# Altium PCB spd150.PcbDoc (part 11 of 15) (continued)
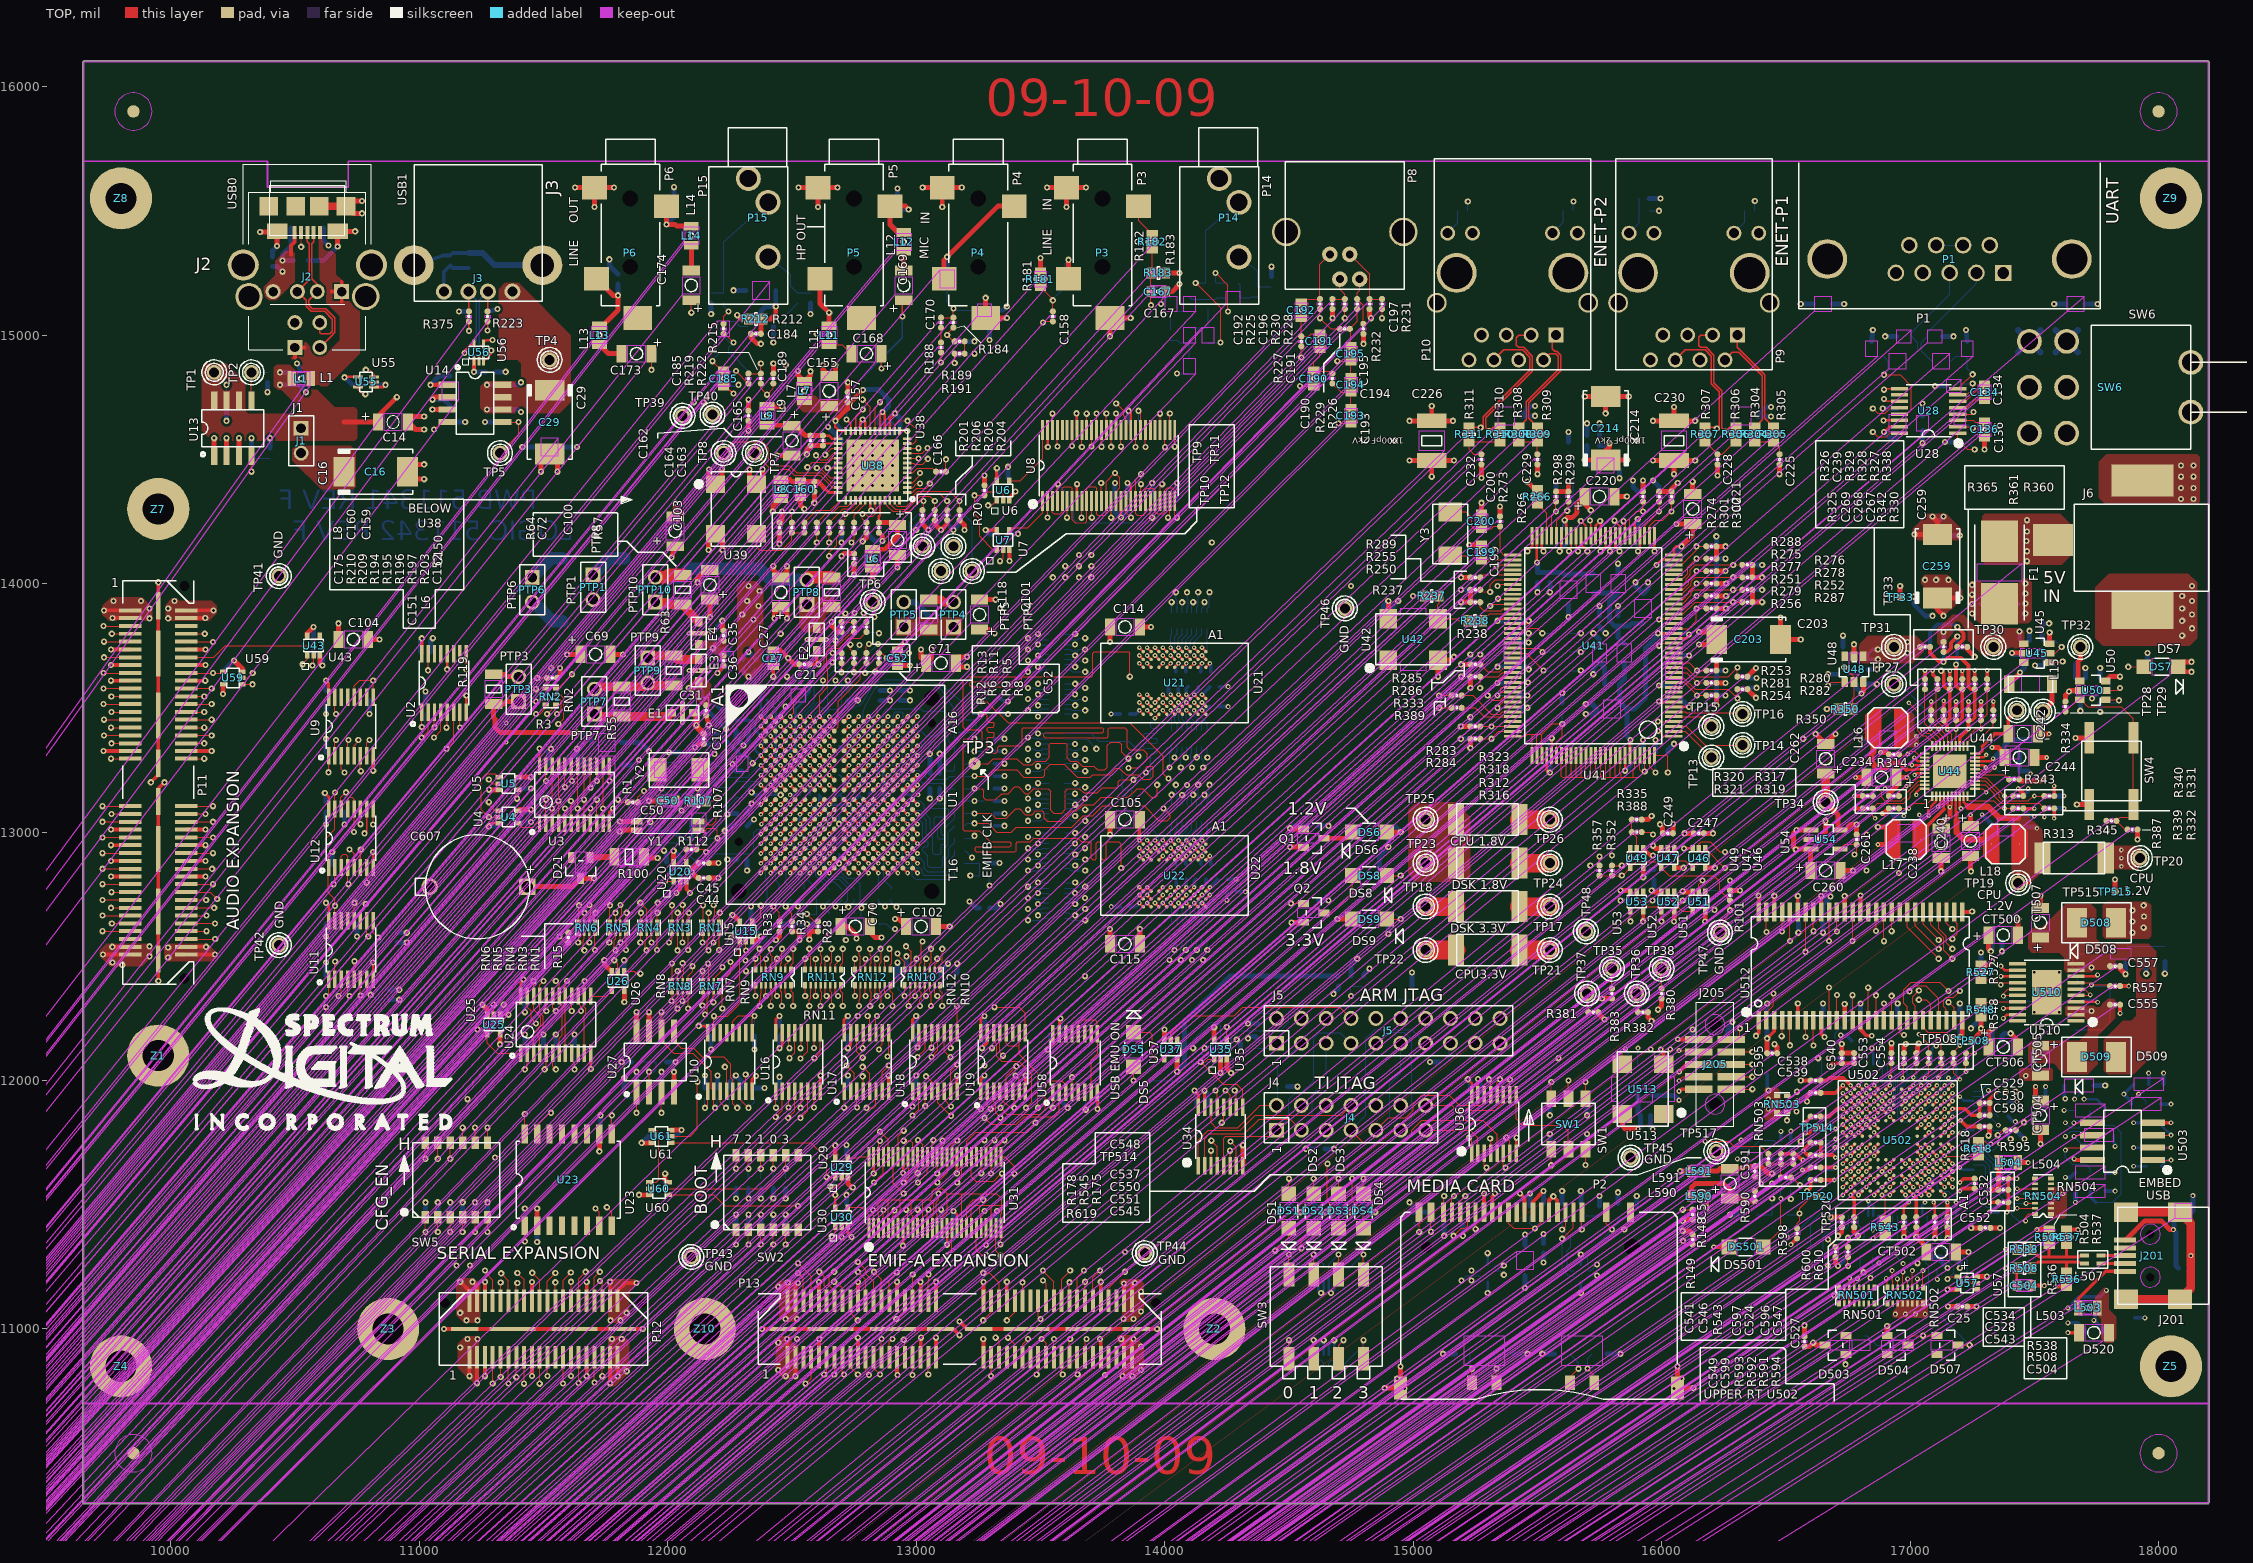
[diagram p0: TOP view]
## Nets (pads, with @x,y where several pads share a name; then routed paths per layer and width w, separated by ;. In a path a pad name is that pad's centre, name@x,y a point inside that pad or via, vN(x,y) a via of type N, cw(c..) or ccw(c..) an arc to the next point about the centre after c; other vN are vias at no path point) (continued)
N20660016: RN9.7 U1.P8 | length 651.9
  TOP w5: v1(12370,12530) 12370,12503.3 12375.6,12497.7 12375.6,12447.4 RN9.7@12376,12447
  TOP w10: v2(12650.7,12913.6) U1.P8@12670.4,12933.3
  LYR3-SIG w4: v2(12650.7,12913.6) 12666.2,12898.1 12666.2,12826.2 12655,12815
  LYR3-SIG w5: v1(12370,12530) 12370,12545 12505,12680 12505,12709.2 12515.8,12720 12560,12720 12655,12815
N20660020: RN9.8 U1.R8 | length 630.2
  TOP w5: RN9.8@12353.4,12447 v1(12353.4,12490)
  TOP w10: v2(12650.7,12874.2) U1.R8@12670.4,12893.9
  LYR3-SIG w4: 12620,12815 12630,12825 12630,12853.5 v2(12650.7,12874.2)
  LYR3-SIG w5: v1(12353.4,12490) 12345,12498.4 12345,12535.5 12340,12540.5 12340,12575 12370,12605 12415.8,12605 12495,12684.2 12495,12714 12511,12730 12535,12730 12620,12815
N20661248: RN9.2 U1.T10 | length 543.7
  TOP w5: RN9.2@12474,12447 12474,12465 12485,12476 v1(12485,12490)
  TOP w10: U1.T10@12749.2,12854.5 v2(12768.9,12834.8)
  LYR8-SIG w4: 12755,12815 12768.9,12828.9 v2(12768.9,12834.8)
  LYR8-SIG w5: v1(12485,12490) 12495,12490 12550,12545 12550,12576 12650,12676 12650,12710 12755,12815
N20661250: RN9.4 U1.P9 | length 664.2
  TOP w5: RN9.4@12434.8,12447 12434.8,12452.4 12435,12452.6 12435,12485 v1(12440,12490)
  TOP w10: U1.P9@12709.8,12933.3 v2(12729.5,12913.6)
  LYR3-SIG w4: 12700,12815 12700,12828 12727,12855 12735,12855 12745,12865 12745,12898.1 v2(12729.5,12913.6)
  LYR3-SIG w5: v1(12440,12490) 12450,12490 12480,12520 12480,12562.4 12507.6,12590 12549,12590 12600,12641 12600,12705 12700,12805 12700,12815
N20661252: RN9.3 U1.N9 | length 774
  TOP w5: RN9.3@12454.4,12447 12454.4,12470 12460,12475.6 v1(12460,12530)
  TOP w10: U1.N9@12709.8,12972.7 v2(12729.5,12953)
  LYR3-SIG w4: 12675,12815 12675,12830 12710,12865 12710,12933.5 v2(12729.5,12953)
  LYR3-SIG w5: v1(12460,12530) 12440,12510 12423.7,12510 12423.5,12509.8 12405.2,12509.8 12395,12520 12395,12555 12440,12600 12460,12600 12675,12815
N20661254: RN9.1 U1.R10 | length 599.5
  TOP w5: RN9.1@12496.6,12447 12496.6,12466.4 12505,12474.8 v1(12505,12530)
  TOP w10: U1.R10@12749.2,12893.9 v2(12768.9,12874.2)
  LYR8-SIG w4: 12735,12815 12750,12830 12750,12855 12768.9,12873.9 v2(12768.9,12874.2)
  LYR8-SIG w5: v1(12505,12530) 12505,12570 12535,12600 12559,12600 12600,12641 12600,12710 12620,12730 12650,12730 12735,12815
N20661256: RN9.6 U1.T9 | length 648.5
  TOP w5: RN9.6@12395.6,12447 v1(12395.6,12489.4)
  TOP w10: U1.T9@12709.8,12854.5 v2(12729.5,12834.8)
  LYR3-SIG w4: 12725,12815 12729.5,12819.5 v2(12729.5,12834.8)
  LYR3-SIG w5: v1(12395.6,12489.4) 12395.6,12484.4 12410,12470 12505.1,12470 12550,12514.9 12550,12576 12645,12671 12645,12735 12725,12815
N20661258: RN9.5 U1.R9 | length 609.5
  TOP w5: RN9.5@12415.2,12447 12415.2,12470 12420,12474.8 12420,12500 12415.2,12504.8 v1(12415.2,12529.8)
  TOP w10: U1.R9@12709.8,12893.9 v2(12729.5,12874.2)
  LYR3-SIG w4: 12685,12815 12685,12825 12729.5,12869.5 v2(12729.5,12874.2)
  LYR3-SIG w5: v1(12415.2,12529.8) 12430.4,12545 12443.3,12545 12548.3,12650 12570,12650 12582.9,12662.9 12582.9,12707.1 12685,12809.2 12685,12815
N20664581: R69.1 U1.T8 | length 154
  TOP w10: v2(12650.7,12834.8) U1.T8@12670.4,12854.5
  BOTTOM w4: v2(12650.7,12834.8) 12665.5,12820 12700,12820 12705,12815
  BOTTOM w5: 12705,12815 R69.1@12750,12770
N20664593: R72.1 U1.P7 | length 570.4
  TOP w10: v2(12611.3,12913.6) U1.P7@12631,12933.3
  BOTTOM w4: 12395,12815 12395,12960 12405,12970 12500,12970 12510,12960 12510,12950 12530,12930 12580,12930 12596.4,12913.6 v2(12611.3,12913.6)
  BOTTOM w5: 12395,12815 12395,12810 12401,12804 12401,12671 R72.1@12400,12670
N20774436: C46.1 R103.2 U1.H1 Y1.4 | length 509
  TOP w5: Y1.4@12124,13007.5 12152.5,13007.5 12160,13015 12190,13015 12200,13005 v1(12200,12975)
  TOP w10: v2(12374.9,13189.4) U1.H1@12394.6,13169.7
  BOTTOM w4: 12354.4,13189.4 v2(12374.9,13189.4)
  BOTTOM w5: C46.1@12155,12975 v1(12200,12975) 12200,13020 12215,13035 12215,13075 12280,13140 R103.2@12300,13140 12305,13140 12315,13150 12315,13166 12338.4,13189.4 12354.4,13189.4
N20774450: C47.1 R103.1 U1.H2 Y1.1 | length 468.1
  TOP w5: Y1.1@12124,13042.5 12152.5,13042.5 12165,13030 12180,13030 12195,13045 v1(12195,13070)
  TOP w10: v2(12414.3,13189.4) U1.H2@12434,13169.7
  BOTTOM w4: 12350,13205 12398.7,13205 v2(12414.3,13189.4)
  BOTTOM w5: C47.1@12155,13050 12175,13050 v1(12195,13070) 12195,13075 R103.1@12300,13180 12314,13180 12339,13205 12350,13205
N20774506: R104.1 U1.G2 | length 510.9
  TOP w10: v2(12414.3,13228.8) U1.G2@12434,13209.1
  LYR4-SIG w4: 12350,13205 12390.5,13205 v2(12414.3,13228.8)
  LYR4-SIG w5: v1(12056,13087) 12072,13087 12190,13205 12350,13205
  BOTTOM w5: R104.1@12025,13045 12025,13075 12037,13087 v1(12056,13087)
N21190289: RN19.7 U21.D2 | length 141.1
  TOP w10: v2(14055.8,13710.3) U21.D2@14071.6,13694.5
  BOTTOM w4: 14040,13775 14040,13726.1 v2(14055.8,13710.3)
  BOTTOM w5: 14040,13775 14040,13785 14051,13796 RN19.7@14051,13818
N21190349: RN19.1 U21.A2 | length 138.9
  TOP w10: v2(14150.3,13710.3) U21.A2@14166.1,13694.5
  BOTTOM w5: v2(14150.3,13710.3) 14171.6,13731.6 14171.6,13775 RN19.1@14171.6,13818
N21190351: RN19.2 U21.B1 | length 111.1
  TOP w10: v2(14118.8,13741.8) U21.B1@14134.6,13726
  BOTTOM w5: v2(14118.8,13741.8) 14118.8,13764.8 14129,13775 14149,13795 RN19.2@14149,13818
N21190353: RN19.3 U21.B2 | length 147.3
  TOP w10: v2(14118.8,13710.3) U21.B2@14134.6,13694.5
  BOTTOM w4: 14109.4,13775 14103.3,13768.9 14103.3,13725.8 v2(14118.8,13710.3)
  BOTTOM w5: 14109.4,13775 14129.4,13795 RN19.3@14129.4,13818
N21190355: RN19.4 U21.C1 | length 107.9
  TOP w10: v2(14087.3,13741.8) U21.C1@14103.1,13726
  BOTTOM w5: v2(14087.3,13741.8) 14087.3,13772.5 14089.8,13775 14109.8,13795 RN19.4@14109.8,13818
N21190357: RN19.5 U21.C2 | length 144.1
  TOP w10: v2(14087.3,13710.3) U21.C2@14103.1,13694.5
  BOTTOM w4: 14071.8,13775 14071.8,13725.8 v2(14087.3,13710.3)
  BOTTOM w5: 14071.8,13775 14071.8,13776.6 14090.2,13795 RN19.5@14090.2,13818
N21190359: RN19.6 U21.D1 | length 105.3
  TOP w10: v2(14055.8,13741.8) U21.D1@14071.6,13726
  BOTTOM w5: v2(14055.8,13741.8) 14055,13742.6 14055,13779.4 14070.6,13795 RN19.6@14070.6,13818
N21190361: RN19.8 U21.E1 | length 100.2
  TOP w10: v2(14024.3,13741.8) U21.E1@14040.1,13726
  BOTTOM w5: v2(14024.3,13741.8) 14024.3,13775 14024.3,13790.9 14028.4,13795 RN19.8@14028.4,13818
N21190363: RN21.1 U21.E9 | length 106.8
  TOP w10: v2(14024.3,13489.8) U21.E9@14040.1,13474
  BOTTOM w5: v2(14024.3,13489.8) 14028.4,13485.7 14028.4,13450 RN21.1@14028.4,13407
N21190365: RN21.2 U21.D8 | length 147.7
  TOP w10: v2(14055.8,13521.3) U21.D8@14071.6,13505.5
  BOTTOM w4: 14040,13450 14040,13505.5 v2(14055.8,13521.3)
  BOTTOM w5: 14040,13450 14040,13446 14051,13435 RN21.2@14051,13407
N21190403: RN21.3 U21.D9 | length 111.3
  TOP w10: v2(14055.8,13489.8) U21.D9@14071.6,13474
  BOTTOM w5: v2(14055.8,13489.8) 14055.8,13450 14055.8,13449.8 14070.6,13435 RN21.3@14070.6,13407
N21190461: RN21.4 U21.C8 | length 151.1
  TOP w10: v2(14087.3,13521.3) U21.C8@14103.1,13505.5
  BOTTOM w4: 14075.2,13450 14071.3,13453.9 14071.3,13505.3 v2(14087.3,13521.3)
  BOTTOM w5: 14075.2,13450 14090.2,13435 RN21.4@14090.2,13407
N21190463: RN21.5 U21.C9 | length 114.5
  TOP w10: v2(14087.3,13489.8) U21.C9@14103.1,13474
  BOTTOM w5: v2(14087.3,13489.8) 14087.3,13457.5 14094.8,13450 14109.8,13435 RN21.5@14109.8,13407
N21190465: RN21.6 U21.B8 | length 153.9
  TOP w10: v2(14118.8,13521.3) U21.B8@14134.6,13505.5
  BOTTOM w4: 14114.4,13450 14103.3,13461.1 14103.3,13505.8 v2(14118.8,13521.3)
  BOTTOM w5: 14114.4,13450 14129.4,13435 RN21.6@14129.4,13407
N21190467: RN21.7 U21.B9 | length 117.7
  TOP w10: v2(14118.8,13489.8) U21.B9@14134.6,13474
  BOTTOM w5: v2(14118.8,13489.8) 14118.8,13465.2 14134,13450 14149,13435 RN21.7@14149,13407
N21190469: RN21.8 U21.A8 | length 158.3
  TOP w10: v2(14150.3,13521.3) U21.A8@14166.1,13505.5
  BOTTOM w4: v2(14150.3,13521.3) 14134.8,13505.8 14134.8,13475.2 14160,13450
  BOTTOM w5: 14160,13450 14171.6,13438.4 RN21.8@14171.6,13407
N21229585: RN20.7 U22.D2 | length 140.9
  TOP w10: v2(14055.8,12935.3) U22.D2@14071.6,12919.5
  BOTTOM w4: 14040.3,12990.3 14040.3,12950.8 v2(14055.8,12935.3)
  BOTTOM w5: 14040.3,12990.3 14040.3,13000 14051,13010.7 RN20.7@14051,13043
N21229645: RN20.1 U22.A2 | length 138.9
  TOP w10: v2(14150.3,12935.3) U22.A2@14166.1,12919.5
  BOTTOM w4: v2(14150.3,12935.3) 14171.6,12956.6 14171.6,13000
  BOTTOM w5: 14171.6,13000 RN20.1@14171.6,13043
N21229647: RN20.2 U22.B1 | length 111.1
  TOP w10: v2(14118.8,12966.8) U22.B1@14134.6,12951
  BOTTOM w4: v2(14118.8,12966.8) 14149,12997 14149,13000
  BOTTOM w5: 14149,13000 RN20.2@14149,13043
N21229649: RN20.3 U22.B2 | length 147.7
  TOP w10: v2(14118.8,12935.3) U22.B2@14134.6,12919.5
  BOTTOM w4: 14115,13000 14102.8,12987.8 14102.8,12951.3 v2(14118.8,12935.3)
  BOTTOM w5: 14115,13000 14129.4,13014.4 RN20.3@14129.4,13043
N21229651: RN20.4 U22.C1 | length 107.9
  TOP w10: v2(14087.3,12966.8) U22.C1@14103.1,12951
  BOTTOM w4: v2(14087.3,12966.8) 14087.3,12987.3 14100,13000
  BOTTOM w5: 14100,13000 14109.8,13009.8 RN20.4@14109.8,13043
N21229653: RN20.5 U22.C2 | length 144.1
  TOP w10: v2(14087.3,12935.3) U22.C2@14103.1,12919.5
  BOTTOM w4: 14080,13000 14071.8,12991.8 14071.8,12950.8 v2(14087.3,12935.3)
  BOTTOM w5: 14080,13000 14090.2,13010.2 RN20.5@14090.2,13043
N21229655: RN20.6 U22.D1 | length 104.7
  TOP w10: v2(14055.8,12966.8) U22.D1@14071.6,12951
  BOTTOM w4: v2(14055.8,12966.8) 14055.8,12995.8
  BOTTOM w5: 14055.8,12995.8 14070.6,13010.6 RN20.6@14070.6,13043
N21229657: RN20.8 U22.E1 | length 100.2
  TOP w10: v2(14024.3,12966.8) U22.E1@14040.1,12951
  BOTTOM w4: v2(14024.3,12966.8) 14025,12967.5 14025,13000
  BOTTOM w5: 14025,13000 14025,13011.6 14028.4,13015 RN20.8@14028.4,13043
N21432686: C31.1 C32.1 C33.1 C34.1 E3.1 U1.C1 | length 424.4
  TOP w10: v2(12374.9,13386.4) U1.C1@12394.6,13366.7
  BOTTOM w10: C32.1@12325,13450 12340,13450 12350,13437.2 12350,13411.3 v2(12374.9,13386.4)
  BOTTOM w15: v1(12085,13580) 12130,13580 12140,13570 C34.1@12140,13540 12155,13540 C33.1@12275,13450 C32.1@12325,13450
N21432690: C35.1 C36.1 C37.1 C38.1 E4.1 U1.C2 | length 825.2
  TOP w10: v2(12414.3,13386.4) U1.C2@12434,13366.7
  LYR8-SIG w10: v2(12414.3,13386.4) 12413.6,13386.4 12395,13405 ; 12395,13405 12365,13405 12345,13425 12345,13475.7 12395,13525.7 12395,13405
  LYR8-SIG w35: v1(12183,13740) 12240.9,13682.1 12342.8,13682.1 12378.3,13646.6 12378.3,13597.9 12395,13581.2 12395,13525.7
  BOTTOM w25: v1(12183,13740) 12195,13752 C37.1@12195,13780
  BOTTOM w35: v1(12183,13740) 12198,13725 C38.1@12240,13725
N21731281: J5.2 R176.1 | length 83.3
  BOTTOM w5: R176.1@14375,12270 14430,12270 J5.2@14450,12250
N21732775: J5.1 R177.1 | length 83.3
  BOTTOM w5: R177.1@14375,12130 14430,12130 J5.1@14450,12150
N21789895: R21.2 U8.4 U8.23 | length 675.3
  TOP w5: U8.4@13568.4,14332 13568.4,14398.4 v1(13570,14400) ; U8.23@13942.3,14332 13942.3,14272.7 v1(13950,14265)
  BOTTOM w5: v1(13570,14400) 13635,14335 13635,14260 13650,14245 13930,14245 v1(13950,14265) R21.2@13950,14305
N22368085: C159.1 C160.1 L8.1 U38.36 | length 252.2
  TOP w12: 12630,14385 12648.2,14366.8 U38.36@12686,14366.8
  TOP w20: L8.1@12455,14418 12492,14418 12500,14410 C160.1@12535,14410 C159.1@12590,14410 12605,14410 12630,14385
N22369565: C162.1 C163.1 C164.1 L9.1 U38.25 | length 308.3
  TOP w11: C163.1@12625,14595 12650,14595 12661.8,14583.2 U38.25@12686,14583.2
  TOP w20: L9.1@12400,14637 12498,14637 C162.1@12500,14635 12515,14635 12555,14595 C164.1@12575,14595 C163.1@12625,14595
N34863621: L13.2 P6.2 R192.1 | length 320.2
  TOP w20: P6.2@11713,15226.5 11713.5,15226.5 11780,15160 v1(11800,15160) 11800,15100 11738,15038 L13.2@11725,15038
  BOTTOM w20: v1(11800,15160) R192.1@11800,15205
N34863623: C173.2 L13.1 | length 105.3
  TOP w20: L13.1@11725,14962 11762,14925 C173.2@11815,14925
N34863643: C174.2 L14.1 | length 102
  TOP w20: C174.2@12095,15260 L14.1@12095,15362
N34877889: C168.2 L11.1 | length 105.3
  TOP w5: L11.1@12650,14962 12703,14962 C168.2@12740,14925
N34877903: C169.2 L12.1 | length 77
  TOP w20: C169.2@12950,15260 L12.1@12950,15337
N34879314: L12.2 P5.3 R186.1 | length 267.3
  TOP w20: L12.2@12950,15413 12927,15413 12895,15445 P5.3@12895,15518.5 12956.5,15518.5 v1(12970,15505)
  BOTTOM w20: R186.1@12925,15505 v1(12970,15505)
N34879340: L11.2 P5.2 R185.1 | length 248.8
  TOP w20: P5.2@12613,15226.5 12613,15127 v1(12650,15090) L11.2@12650,15038
  BOTTOM w20: R185.1@12650,15045 v1(12650,15090)
N34884668: C150.1 C152.1 L6.2 U38.44 | length 338.5
  TOP w10: C152.1@12850,14245 12850,14270.5 12854.5,14275 U38.44@12854.5,14336
  TOP w20: L6.2@12825,14138 12873,14138 12925,14190 C150.1@12925,14235 12915,14245 C152.1@12850,14245
N34901850: C158.1 C161.1 R180.2 R181.1 | length 267.1
  TOP w5: R181.1@13500,15195 13550,15145 v1(13550,15140) C158.1@13550,15095
  BOTTOM w5: C161.1@13500,15195 v1@13550,15145 ; v1(13550,15140) v1@13550,15145 ; R180.2@13600,15195 v1@13550,15145
N34901866: C158.2 U38.3 | length 1028.7
  TOP w5: U38.3@12964,14406.1 12986.1,14406.1 13015,14435 v1(13015,14445) ; v1(13510,15050) 13515,15055 C158.2@13550,15055
  LYR3-SIG w5: v1(13015,14445) 12985,14445 12950,14480 12950,14545 13455,15050 v1(13510,15050)
N34902718: C166.1 C167.1 R182.2 R183.1 | length 1358.9
  TOP w5: C166.1@13120,14450 v1(13120,14500) ; v1(13945,15120) C167.1@13945,15175 R183.1@13945,15250 13950,15255 R182.2@13950,15345
  LYR3-SIG w5: v1(13120,14500) 13125,14500 13745,15120 v1(13945,15120)
N34902945: C166.2 U38.5 | length 130.3
  TOP w5: U38.5@12964,14445.5 12985.5,14445.5 13005,14465 13065,14465 C166.2@13080,14450
N34912845: C172.1 R184.2 R189.1 | length 121.1
  TOP w5: R184.2@13150,15030 13125,15005 v1(13125,15000) 13150,14975 R189.1@13155,14975
  BOTTOM w5: v1(13125,15000) 13150,14975 C172.1@13155,14975
N34912877: R189.2 R191.1 | length 50
  TOP w5: R191.1@13195,14925 R189.2@13195,14975
N34913123: C170.2 R188.1 | length 60
  TOP w5: R188.1@13100,14970 C170.2@13100,15030
N167545211: DS1.2 R144.2 | length 121
  TOP w5: DS1.2@14500,11544 v1(14500,11605)
  BOTTOM w5: R144.2@14500,11545 v1(14500,11605)
N167545370: DS3.2 R146.2 | length 121
  TOP w5: DS3.2@14700,11544 v1(14700,11605)
  BOTTOM w5: R146.2@14700,11545 v1(14700,11605)
N167545530: DS4.2 R147.2 | length 121
  TOP w5: DS4.2@14800,11544 v1(14800,11605)
  BOTTOM w5: R147.2@14800,11545 v1(14800,11605)
N167546730: DS2.2 R145.2 | length 121
  TOP w5: DS2.2@14600,11544 v1(14600,11605)
  BOTTOM w5: R145.2@14600,11545 v1(14600,11605)
ODEMU0N: TP518.1 U511.75 | length 253.5
  BOTTOM w4: 16645,11470 16690,11470 16705,11455 U511.75@16713.6,11455
  BOTTOM w5: TP518.1@16600,11310 16600,11425 16645,11470
ODEMU1N: TP519.1 U511.74 | length 199
  BOTTOM w5: TP519.1@16650,11310 16650,11375 16685,11410 16718.3,11410 16733.3,11425 U511.74@16733.3,11455
ON_BD_OFF_BD: R384.1 SW5.9 U19.14 U59.1 | length 5360.7
  TOP w5: U59.1@10289,13594.4 v1(10329.4,13594.4) ; SW5.9@11175,11750 v1(11175,11810) ; U19.14@13311.6,12192.6 13311.6,12160 13325,12146.6 13325,12097.2 13330,12092.2 13330,12091.7 13341.7,12080 13342.2,12080 13345,12077.2 13412.8,12077.2 13465,12025 13465,11913.4 v1(13441.6,11890)
  LYR4-SIG w5: v1(10329.4,13594.4) 10408.8,13515 10825,13515 10860,13480 10860,13160 11105,12915 11105,12180 11145,12140 11145,11840 v1(11175,11810)
  LYR7-SIG w5: v1(11175,11810) 11210,11775 11940,11775 11975,11740 12590,11740 12675,11825 13376.6,11825 v1(13441.6,11890)
  BOTTOM w5: v1(13441.6,11890) 13501.6,11950 R384.1@13525,11950
ON_BD_USB_DRV: R62.2 U14.4 U19.4 U19.6 | length 5404.3
  TOP w5: v1(11060,14620) 11090,14650 U14.4@11115,14650 ; U19.4@13337.2,11957.4 13337.2,11927.8 13357.8,11907.2 13362.8,11907.2 13380,11890 v1(13395,11890) 13395,11920 13388.4,11926.6 U19.6@13388.4,11957.4
  LYR4-SIG w5: v1(11060,14620) 10890,14450 10890,13200 11135,12955 11135,12240 11195,12180 v1(11195,11925)
  LYR7-SIG w5: v1(11195,11925) 13360,11925 v1(13395,11890)
  BOTTOM w5: v1(11060,14620) 11090,14650 R62.2@11105,14650
ON_BD_USB_OVC: R61.2 TP5.1 U14.5 U19.10 U19.12 | length 6199.6
  TOP w5: TP5.1@11325,14525 11400,14600 v1(11400,14650) U14.5@11335,14650 ; U19.12@13362.8,12192.6 13362.8,12147.2 13370,12140 13414,12140 ; U19.10@13414,12192.6 13414,12140 ; v1(13490,11890) 13490,12030 13414,12106 13414,12140
  LYR4-SIG w5: v1(11305,11690) 11305,12090 11270,12125 11270,12235 11165,12340 11165,13040 10915,13290 10915,14115 TP5.1@11325,14525
  LYR7-SIG w5: v1(11305,11690) 13385,11690 13435,11740 13435,11835 v1(13490,11890)
  BOTTOM w5: R61.2@11345,14650 v1(11400,14650)
P1ANEN: R261.2 R278.1 U41.30 | length 350
  TOP w5: U41.30@16049,13956.9 16081.9,13956.9 16120,13995 16120,14010 16135,14025 v1(16288,14025) R278.1@16325,14025
  BOTTOM w5: v1(16288,14025) R261.2@16325,14025
P1DPX: R259.2 R276.1 U41.32 | length 363.2
  TOP w5: U41.32@16049,13996.3 16086.3,13996.3 16100,14010 16100,14020 16115,14035 16115,14055 16135,14075 v1(16288,14075) R276.1@16325,14075
  BOTTOM w5: v1(16288,14075) R259.2@16325,14075
P1FFC: R258.2 R275.1 U41.33 | length 220.4
  TOP w5: U41.33@16049,14016 16081,14016 16105,14040 16105,14065 v1(16140,14100) R275.1@16180,14100
  BOTTOM w5: v1(16140,14100) R258.2@16180,14100
P1LED2: P9.10 R235.1 | length 108.2
  BOTTOM w5: P9.10@16291,15410 16335,15454 R235.1@16335,15500
P1LED3: P9.12 R233.2 R234.1 | length 157
  BOTTOM w5: P9.12@15869,15410 15910,15451 R234.1@15910,15500 R233.2@15910,15550
P1SPD: R260.2 R277.1 U41.31 | length 213.1
  TOP w5: U41.31@16049,13976.6 16086.6,13976.6 16110,14000 16110,14015 16140,14045 v1(16140,14050) R277.1@16180,14050
  BOTTOM w5: v1(16140,14050) R260.2@16180,14050
P2ANEN: R265.2 R282.1 U41.13 | length 364.8
  TOP w5: U41.13@16049,13621.9 16088.1,13621.9 16135,13575 16268,13575 v1(16305,13538) R282.1@16305,13575
  BOTTOM w5: v1(16305,13538) R265.2@16305,13575
P2DPX: R263.2 R280.1 U41.15 | length 360.4
  TOP w5: U41.15@16049,13661.3 16098.7,13661.3 16135,13625 16268,13625 v1(16305,13662) R280.1@16305,13625
  BOTTOM w5: R263.2@16305,13625 v1(16305,13662)
P2FFC: R246.2 R253.1 U41.16 | length 180.8
  TOP w5: U41.16@16049,13681 16112,13681 v1(16143,13650) R253.1@16180,13650
  BOTTOM w5: v1(16143,13650) R246.2@16180,13650
P2LED2: P10.10 R240.1 | length 108.2
  BOTTOM w5: P10.10@15561,15410 15605,15454 R240.1@15605,15500
P2LED3: P10.12 R239.1 | length 107
  BOTTOM w5: P10.12@15139,15410 15180,15451 R239.1@15180,15500
P2MDIX: R244.2 R251.1 U41.29 | length 202.9
  TOP w5: U41.29@16049,13937.2 16087.2,13937.2 16110,13960 16110,13970 v1(16140,14000) R251.1@16180,14000
  BOTTOM w5: v1(16140,14000) R244.2@16180,14000
P2MDIXDIS: R245.2 R252.1 U41.28 | length 342.7
  TOP w5: U41.28@16049,13917.5 16082.5,13917.5 16120,13955 16120,13965 16130,13975 v1(16288,13975) R252.1@16325,13975
  BOTTOM w5: v1(16288,13975) R245.2@16325,13975
P2SPD: R264.2 R281.1 U41.14 | length 185.2
  TOP w5: U41.14@16049,13641.6 16101.4,13641.6 v1(16143,13600) R281.1@16180,13600
  BOTTOM w5: v1(16143,13600) R264.2@16180,13600
PB_RESET: R334.1 R345.1 R387.2 SW4.B SW4.B1 U50.3 | length 850.9
  TOP w5: R334.1@17625,13485 17672.6,13532.6 U50.3@17683,13532.6 17687.4,13532.6 17715,13505 17850,13505 17899,13456 SW4.B1@17899,13379 SW4.B@17899,13111 17899,13069 17890,13060 17845,13060 R345.1@17830,13045 17865,13010 R387.2@17875,13010
PONRSINN: R619.1 R620.1 U511.85 | length 272.3
  TOP w5: R619.1@16520,11610 16526.4,11610 v1(16556.4,11580)
  BOTTOM w5: R620.1@16520,11610 16550,11580 v1(16556.4,11580) 16595,11618.6 16595,11680 16615.9,11700.9 U511.85@16645,11700.9
PONRSNIN: R178.1 R358.1 | length 1629.4
  TOP w5: v3(16175,11755) 16270,11755 16290,11735 16400,11735 R178.1@16430,11705
  LYR8-SIG w5: v1(15713,12865) 15713,12657 15938.5,12431.5 15938.5,12051.5 16051.5,11938.5 16077.7,11938.5 16175,11841.2 v3(16175,11755)
  BOTTOM w5: v1(15713,12865) R358.1@15750,12865
PU_USB: R538.1 U502.C1 | length 460.2
  TOP w10: U502.C1@17154.8,11618.2 v2(17170.5,11602.4) ; v4(17385,11320) R538.1@17430,11320
  LYR4-SIG w4: v2(17170.5,11602.4) 17184.5,11588.4 17184.5,11583.5 17193.5,11574.5 17230.5,11574.5 17255,11550
  LYR4-SIG w5: 17255,11550 17280,11525 17280,11425 v4(17385,11320)
PUTMS: R614.2 U511.7 | length 106.1
  BOTTOM w5: R614.2@16805,12160 16805,12130 16831.8,12103.2 U511.7@16831.8,12065
READY: R616.2 U502.H1 U511.32 | length 314.9
  TOP w10: U502.H1@17154.8,11775.8 v2(17170.5,11791.5)
  BOTTOM w4: v2(17170.5,11791.5) 17155,11807 17155,11861 17164,11870 17176.5,11870 17184.7,11878.2 U511.32@17255,11878.2
  BOTTOM w5: U511.32@17255,11878.2 17331.8,11878.2 R616.2@17355,11855
RMII_CRS_DV: R5.2 U1.A7 | length 498
  TOP w4: v2(12611.3,13465.2) 12611.3,13485
  TOP w5: 12611.3,13485 12611.3,13551.3 12645,13585 12645,13655 12640,13660 12640,13727 12653,13740 12690,13740 12730,13780 12775,13780 R5.2@12800,13805
  TOP w10: v2(12611.3,13465.2) U1.A7@12631,13445.5
RMII_MDIO_CLK: R14.2 U1.A6 | length 313.3
  TOP w10: v2(12571.9,13465.2) U1.A6@12591.6,13445.5
  BOTTOM w4: v2(12571.9,13465.2) 12571.9,13471.9 12585,13485
  BOTTOM w5: 12585,13485 12600,13500 12630,13500 12645,13515 12645,13625 R14.2@12700,13680
RMII_MDIO_D: R12.2 U1.B6 | length 335.1
  TOP w5: v1(12700,13643) R12.2@12700,13680
  TOP w10: v2(12571.9,13425.8) U1.B6@12591.6,13406.1
  LYR4-SIG w4: v2(12571.9,13425.8) 12595,13448.9 12595,13480
  LYR4-SIG w5: 12595,13480 12595,13495 12700,13600 v1(12700,13643)
RMII_MHZ_50: R11.2 U1.A4 | length 501.6
  TOP w5: v2(12493.1,13465.2) 12507.5,13479.6 12507.5,13532.5 12630,13655 12630,13732 12648,13750 12685,13750 12740,13805 R11.2@12750,13805
  TOP w10: v2(12493.1,13465.2) U1.A4@12512.8,13445.5
RMII_RXD[0]: R6.2 U1.B7 | length 342.1
  TOP w5: v1(12750,13643) R6.2@12750,13680
  TOP w10: v2(12611.3,13425.8) U1.B7@12631,13406.1
  LYR4-SIG w4: v2(12611.3,13425.8) 12615.8,13425.8 12630,13440 12630,13485
  LYR4-SIG w5: 12630,13485 12750,13605 v1(12750,13643)
RMII_RXD[1]: R7.2 U1.C7 | length 393.6
  TOP w10: v2(12611.3,13386.4) U1.C7@12631,13366.7
  BOTTOM w4: v2(12611.3,13386.4) 12611.3,13401.3 12630,13420 12630,13470 12645,13485
  BOTTOM w5: 12645,13485 12655,13495 12680,13495 12700,13515 12700,13614 12725,13639 12725,13655 R7.2@12750,13680
RMII_RXER: R4.2 U1.D7 | length 657.2
  TOP w10: v2(12611.3,13347) U1.D7@12631,13327.3
  LYR4-SIG w4: v2(12611.3,13347) 12630,13365.7 12630,13395 12640,13405 12655,13405 12690,13440 12690,13485
  LYR4-SIG w5: 12690,13485 12690,13530 12775,13615 12775,13650 12870,13745 12870,13780 v1(12850,13800)
  BOTTOM w5: R4.2@12800,13805 12840,13805 12845,13800 v1(12850,13800)
RMII_TXD[0]: R9.2 U1.B8 | length 355.4
  TOP w4: U1.B8@12670.4,13406.1 12687,13422.7 12687,13482
  TOP w5: 12687,13482 12687,13527 12775,13615 12775,13655 R9.2@12800,13680
  TOP w10: v2(12650.7,13425.8) U1.B8@12670.4,13406.1
RMII_TXD[1]: R10.2 U1.C8 | length 384.9
  TOP w10: v2(12650.7,13386.4) U1.C8@12670.4,13366.7
  LYR4-SIG w4: v2(12650.7,13386.4) 12656.4,13386.4 12700,13430 12700,13485
  LYR4-SIG w5: 12700,13485 12700,13520 12795,13615 v1(12795,13640)
  BOTTOM w5: v1(12795,13640) R10.2@12800,13680
RMII_TXEN: R8.2 U1.D8 | length 440.3
  TOP w5: v1(12835,13645) R8.2@12850,13680
  TOP w10: v2(12650.7,13347) U1.D8@12670.4,13327.3
  LYR4-SIG w4: v2(12650.7,13347) 12710,13406.3 12710,13485
  LYR4-SIG w5: 12710,13485 12710,13515 12835,13640 v1(12835,13645)
ROM_SPI0_CLK: R133.1 U23.16 U24.2 | length 389.2
  TOP w5: U23.16@11425,11785 v1(11425,11865) ; v1(11425,12045) 11435,12055 11435,12109.8 U24.2@11434.8,12110
  LYR4-SIG w5: v1(11425,11865) v1(11425,12045)
  BOTTOM w5: v1(11425,12045) R133.1@11425,12105
ROM_SPI0_CS0: R136.1 U23.7 U24.9 | length 801
  TOP w5: U24.9@11614,12110 11614,12081 11625,12070 v1(11625,12045) ; v1(11710,11485) 11725,11470 U23.7@11725,11415
  LYR4-SIG w5: v1(11625,12045) 11625,11570 v1(11710,11485)
  BOTTOM w5: v1(11625,12045) R136.1@11625,12105
ROM_SPI0_SIMO: R135.1 U23.15 U24.6 | length 424.3
  TOP w5: U23.15@11475,11785 11475,11820 11525,11870 v1(11530,11870) ; U24.6@11537.2,12110 11537.2,12057.8 v1(11550,12045)
  LYR4-SIG w5: v1(11530,11870) 11550,11890 v1(11550,12045)
  BOTTOM w5: v1(11550,12045) R135.1@11550,12105
ROM_SPI0_SOMI: R134.1 U23.8 U24.5 | length 949.2
  TOP w5: v1(11505,12045) 11511.6,12051.6 U24.5@11511.6,12110 ; v1(11755,11490) 11775,11470 U23.8@11775,11415
  LYR4-SIG w5: v1(11505,12045) 11505,11650 11695,11460 11725,11460 v1(11755,11490)
  BOTTOM w5: R134.1@11500,12105 11500,12050 v1(11505,12045)
RTCINX1: RN501.14 U502.A12 | length 424.6
  TOP w5: RN501.14@16755.6,11167 v3(16755.6,11205)
  TOP w10: v2(16792.4,11539.4) U502.A12@16808.2,11555.2
  LYR4-SIG w4: v2(16792.4,11539.4) 16792.4,11482.6 16810,11465 16810,11455
  LYR4-SIG w5: v3(16755.6,11205) 16770,11219.4 16770,11320 16810,11360 16810,11455
RXM1: P9.6 R307.2 U41.46 | length 1238.5
  TOP w5.2: v1(15810,14253) 15810,14252 15833.4,14228.6 U41.46@15833.4,14192 ; P9.6@16055,14900 16095,14940 16175,14940 16200,14915 16200,14804.5 16232.5,14772 16232.5,14634.5 v1(16222,14624) 16216,14630 R307.2@16175,14630
  LYR4-SIG w5.2: v1(15810,14253) 15811.1,14253 15824.3,14266.2 15824.3,14288.5 15857.3,14321.5 15916.4,14321.5 16005,14410.1 16005,14471.1 16093.7,14559.8 16186,14559.8 16230,14603.8 16230,14615 16222,14623 v1(16222,14624)
RXM2: P10.6 R311.2 U41.52 | length 1391.1
  TOP w5.2: R311.2@15225,14630 15270,14630 v1(15272,14628) 15282.5,14638.5 15282.5,14670.7 15470,14858.2 15470,14910.8 15440.8,14940 15365,14940 P10.6@15325,14900 ; v1(15712,14254) 15715.1,14250.9 U41.52@15715.1,14192
  LYR4-SIG w5.2: v1(15272,14628) 15289.8,14628 15306,14644.2 15549.1,14644.2 15600,14593.3 15600,14524.4 15694.5,14429.9 15694.5,14285.5 15700,14280 15700,14266 v1(15712,14254)
RXP1: P9.3 R306.2 U41.45 | length 1243.1
  TOP w5.2: v1(15847,14251) 15853.1,14244.9 U41.45@15853.1,14192 ; P9.3@16205,15000 16158,15000 16150,14992 16150,14958 16158,14950 16179.2,14950 16210,14919.2 16210,14808.7 16242.5,14776.2 16242.5,14626.5 v1(16257,14612) 16275,14630 R306.2@16300,14630
  LYR4-SIG w5.2: v1(15847,14251) 15843.5,14251 15834.5,14260 15834.5,14284.5 15861.5,14311.5 15920.6,14311.5 16015,14405.9 16015,14466.9 16097.9,14549.8 16190.2,14549.8 16240,14599.6 16240,14602 16250,14612 v1(16257,14612)
RXP2: P10.3 R310.2 U41.53 | length 1387.3
  TOP w5.2: R310.2@15350,14630 15323,14630 v1(15306,14613) 15292.5,14626.5 15292.5,14666.5 15480,14854 15480,14915 15445,14950 15425,14950 15415,14960 15415,14990 15425,15000 P10.3@15475,15000 ; v1(15675,14252) 15695.4,14231.6 U41.53@15695.4,14192
  LYR4-SIG w5.2: v1(15306,14613) 15306,14624.5 15315.7,14634.2 15544.9,14634.2 15590,14589.1 15590,14520.2 15684.5,14425.7 15684.5,14281.3 15688.4,14277.4 15688.4,14260 15680.4,14252 v1(15675,14252)
S0_A1: JP509.2 U503.2 | length 113.5
  TOP w5: U503.2@17976.5,11730 v3(18050,11730)
  BOTTOM w10: JP509.2@18010,11730 v3(18050,11730)
SCK_SCL: JP506.2 U503.6 | length 214.4
  TOP w5: v3(17660,11775) 17665,11780 U503.6@17733.5,11780
  BOTTOM w5: v3(17660,11775) 17660,11774.6 17689.6,11745 17745,11745 17760,11760 JP506.2@17760,11780
SCL: JP506.3 RN503.5 U502.H14 | length 1375.8
  TOP w5: v1(16505,11840) 16505.5,11840.5 RN503.5@16505.5,11872.6
  TOP w10: v2(16729.4,11791.5) U502.H14@16745.2,11775.8
  LYR3-SIG w4: 16645,11785 16722.9,11785 v2(16729.4,11791.5)
  LYR3-SIG w5: v1(16505,11840) 16539,11806 16624,11806 16645,11785
  LYR7-SIG w4: v2(16729.4,11791.5) 16733.5,11791.5 16760,11765 16860,11765 16943.6,11681.4 17255,11681.4
  LYR7-SIG w5: 17255,11681.4 17343.5,11681.4 17375,11712.9 17562.9,11712.9 v3(17625,11775)
  BOTTOM w5: v3(17625,11775) 17646.7,11796.7 17683.3,11796.7 JP506.3@17700,11780
SDA: JP507.3 RN503.6 U502.H13 | length 1351.8
  TOP w5: RN503.6@16505.5,11895.2 16519.8,11895.2 16540,11875 v1(16543,11875)
  TOP w10: v2(16760.9,11791.5) U502.H13@16776.7,11775.8
  LYR3-SIG w4: 16645,11825 16705,11825 16723,11807 16745.4,11807 v2(16760.9,11791.5) 16763.5,11791.5 16790,11765 16809.3,11765 16839.9,11734.4 16839.9,11721.9 16849.4,11712.4 16977.4,11712.4 17016.9,11751.9 17241.9,11751.9 17255,11765
  LYR3-SIG w5: v1(16543,11875) 16565,11875 16615,11825 16645,11825 ; 17255,11765 17290,11800 17365,11800 17380,11815 17380,11845 17415,11880 v3(17620,11880)
  BOTTOM w5: v3(17620,11880) JP507.3@17665,11880

## Text inside footprints (layer, text, board x,y; h text height)
C524: PIN_NUMBER "2" at 17017,11410 h20 r270; PIN_NUMBER "1" at 17017,11450 h20 r270; ASSEMBLY_TOP "USERPART#" at 16875,11430 h25 r270; ASSEMBLY_TOP "TOLERANCE" at 16925,11430 h25 r270; ASSEMBLY_TOP "0.1uF" at 17025,11430 h25 r270; SYMBOL_PART_DIM "0" at 17012,11522 h25 r270; SYMBOL_PART_DIM "0" at 16941,11438 h25 r270; SYMBOL_PART_DIM "C402-35X32" at 16887,11553 h25 r270; SYMBOL_PART_DIM "PAD 35X32 OV" at 16837,11553 h25 r270
C526: PIN_NUMBER "2" at 17362,12560 h20 r180; PIN_NUMBER "1" at 17322,12560 h20 r180; ASSEMBLY_BOTTOM "USERPART#" at 17350,12710 h25 r180; ASSEMBLY_BOTTOM "TOLERANCE" at 17350,12660 h25 r180; ASSEMBLY_BOTTOM "0.1uF" at 17350,12560 h25 r180; SYMBOL_PART_DIM "0" at 17258,12573 h25 r180; SYMBOL_PART_DIM "0" at 17342,12644 h25 r180; SYMBOL_PART_DIM "C402-35X32" at 17227,12698 h25 r180; SYMBOL_PART_DIM "PAD 35X32 OV" at 17227,12748 h25 r180
C527: PIN_NUMBER "2" at 16567,10970 h20 r90; PIN_NUMBER "1" at 16567,10930 h20 r90; ASSEMBLY_TOP "USERPART#" at 16725,10950 h25 r90; ASSEMBLY_TOP "TOLERANCE" at 16675,10950 h25 r90; ASSEMBLY_TOP "0.1uF" at 16575,10950 h25 r90; SYMBOL_PART_DIM "0" at 16588,10858 h25 r90; SYMBOL_PART_DIM "0" at 16659,10942 h25 r90; SYMBOL_PART_DIM "C402-35X32" at 16713,10827 h25 r90; SYMBOL_PART_DIM "PAD 35X32 OV" at 16763,10827 h25 r90
C528: PIN_NUMBER "2" at 17387,11560 h20; PIN_NUMBER "1" at 17347,11560 h20; ASSEMBLY_TOP "USERPART#" at 17375,11410 h25; ASSEMBLY_TOP "TOLERANCE" at 17375,11460 h25; ASSEMBLY_TOP "0.1uF" at 17375,11560 h25; SYMBOL_PART_DIM "0" at 17283,11547 h25; SYMBOL_PART_DIM "0" at 17367,11476 h25; SYMBOL_PART_DIM "C402-35X32" at 17252,11422 h25; SYMBOL_PART_DIM "PAD 35X32 OV" at 17252,11372 h25
C529: PIN_NUMBER "2" at 17312,11910 h20; PIN_NUMBER "1" at 17272,11910 h20; ASSEMBLY_TOP "USERPART#" at 17300,11760 h25; ASSEMBLY_TOP "TOLERANCE" at 17300,11810 h25; ASSEMBLY_TOP "0.1uF" at 17300,11910 h25; SYMBOL_PART_DIM "0" at 17208,11897 h25; SYMBOL_PART_DIM "0" at 17292,11826 h25; SYMBOL_PART_DIM "C402-35X32" at 17177,11772 h25; SYMBOL_PART_DIM "PAD 35X32 OV" at 17177,11722 h25
C530: PIN_NUMBER "2" at 17312,11860 h20; PIN_NUMBER "1" at 17272,11860 h20; ASSEMBLY_TOP "USERPART#" at 17300,11710 h25; ASSEMBLY_TOP "TOLERANCE" at 17300,11760 h25; ASSEMBLY_TOP "0.1uF" at 17300,11860 h25; SYMBOL_PART_DIM "0" at 17208,11847 h25; SYMBOL_PART_DIM "0" at 17292,11776 h25; SYMBOL_PART_DIM "C402-35X32" at 17177,11722 h25; SYMBOL_PART_DIM "PAD 35X32 OV" at 17177,11672 h25
C531: PIN_NUMBER "2" at 17897,11045 h20 r180; PIN_NUMBER "1" at 17857,11045 h20 r180; ASSEMBLY_BOTTOM "USERPART#" at 17885,11195 h25 r180; ASSEMBLY_BOTTOM "TOLERANCE" at 17885,11145 h25 r180; ASSEMBLY_BOTTOM "0.01uF" at 17885,11045 h25 r180; SYMBOL_PART_DIM "0" at 17793,11058 h25 r180; SYMBOL_PART_DIM "0" at 17877,11129 h25 r180; SYMBOL_PART_DIM "C402-35X32" at 17762,11183 h25 r180; SYMBOL_PART_DIM "PAD 35X32 OV" at 17762,11233 h25 r180
C532: PIN_NUMBER "2" at 17252,11565 h20 r270; PIN_NUMBER "1" at 17252,11605 h20 r270; ASSEMBLY_TOP "USERPART#" at 17110,11585 h25 r270; ASSEMBLY_TOP "TOLERANCE" at 17160,11585 h25 r270; ASSEMBLY_TOP "0.1uF" at 17260,11585 h25 r270; SYMBOL_PART_DIM "0" at 17247,11677 h25 r270; SYMBOL_PART_DIM "0" at 17176,11593 h25 r270; SYMBOL_PART_DIM "C402-35X32" at 17122,11708 h25 r270; SYMBOL_PART_DIM "PAD 35X32 OV" at 17072,11708 h25 r270
C534: PIN_NUMBER "2" at 17387,11605 h20; PIN_NUMBER "1" at 17347,11605 h20; ASSEMBLY_TOP "USERPART#" at 17375,11455 h25; ASSEMBLY_TOP "TOLERANCE" at 17375,11505 h25; ASSEMBLY_TOP "0.001uF" at 17375,11605 h25; SYMBOL_PART_DIM "0" at 17283,11592 h25; SYMBOL_PART_DIM "0" at 17367,11521 h25; SYMBOL_PART_DIM "C402-35X32" at 17252,11467 h25; SYMBOL_PART_DIM "PAD 35X32 OV" at 17252,11417 h25
C535: PIN_NUMBER "2" at 18072,11245 h20; PIN_NUMBER "1" at 18112,11245 h20; ASSEMBLY_BOTTOM "USERPART#" at 18100,11095 h25; ASSEMBLY_BOTTOM "TOLERANCE" at 18100,11145 h25; ASSEMBLY_BOTTOM "0.1uF" at 18100,11245 h25; SYMBOL_PART_DIM "0" at 18192,11232 h25; SYMBOL_PART_DIM "0" at 18108,11161 h25; SYMBOL_PART_DIM "C402-35X32" at 18223,11107 h25; SYMBOL_PART_DIM "PAD 35X32 OV" at 18223,11057 h25
C537: PIN_NUMBER "2" at 16592,11750 h20 r180; PIN_NUMBER "1" at 16632,11750 h20 r180; ASSEMBLY_TOP "USERPART#" at 16620,11900 h25 r180; ASSEMBLY_TOP "TOLERANCE" at 16620,11850 h25 r180; ASSEMBLY_TOP "0.1uF" at 16620,11750 h25 r180; SYMBOL_PART_DIM "0" at 16712,11763 h25 r180; SYMBOL_PART_DIM "0" at 16628,11834 h25 r180; SYMBOL_PART_DIM "C402-35X32" at 16743,11888 h25 r180; SYMBOL_PART_DIM "PAD 35X32 OV" at 16743,11938 h25 r180
C538: PIN_NUMBER "2" at 16592,12000 h20 r180; PIN_NUMBER "1" at 16632,12000 h20 r180; ASSEMBLY_TOP "USERPART#" at 16620,12150 h25 r180; ASSEMBLY_TOP "TOLERANCE" at 16620,12100 h25 r180; ASSEMBLY_TOP "0.1uF" at 16620,12000 h25 r180; SYMBOL_PART_DIM "0" at 16712,12013 h25 r180; SYMBOL_PART_DIM "0" at 16628,12084 h25 r180; SYMBOL_PART_DIM "C402-35X32" at 16743,12138 h25 r180; SYMBOL_PART_DIM "PAD 35X32 OV" at 16743,12188 h25 r180
C539: PIN_NUMBER "2" at 16592,11950 h20 r180; PIN_NUMBER "1" at 16632,11950 h20 r180; ASSEMBLY_TOP "USERPART#" at 16620,12100 h25 r180; ASSEMBLY_TOP "TOLERANCE" at 16620,12050 h25 r180; ASSEMBLY_TOP "0.1uF" at 16620,11950 h25 r180; SYMBOL_PART_DIM "0" at 16712,11963 h25 r180; SYMBOL_PART_DIM "0" at 16628,12034 h25 r180; SYMBOL_PART_DIM "C402-35X32" at 16743,12088 h25 r180; SYMBOL_PART_DIM "PAD 35X32 OV" at 16743,12138 h25 r180
C540: PIN_NUMBER "2" at 16717,12110 h20 r90; PIN_NUMBER "1" at 16717,12070 h20 r90; ASSEMBLY_TOP "USERPART#" at 16875,12090 h25 r90; ASSEMBLY_TOP "TOLERANCE" at 16825,12090 h25 r90; ASSEMBLY_TOP "0.1uF" at 16725,12090 h25 r90; SYMBOL_PART_DIM "0" at 16738,11998 h25 r90; SYMBOL_PART_DIM "0" at 16809,12082 h25 r90; SYMBOL_PART_DIM "C402-35X32" at 16863,11967 h25 r90; SYMBOL_PART_DIM "PAD 35X32 OV" at 16913,11967 h25 r90
C541: PIN_NUMBER "2" at 16717,11410 h20 r270; PIN_NUMBER "1" at 16717,11450 h20 r270; ASSEMBLY_TOP "USERPART#" at 16575,11430 h25 r270; ASSEMBLY_TOP "TOLERANCE" at 16625,11430 h25 r270; ASSEMBLY_TOP "0.1uF" at 16725,11430 h25 r270; SYMBOL_PART_DIM "0" at 16712,11522 h25 r270; SYMBOL_PART_DIM "0" at 16641,11438 h25 r270; SYMBOL_PART_DIM "C402-35X32" at 16587,11553 h25 r270; SYMBOL_PART_DIM "PAD 35X32 OV" at 16537,11553 h25 r270
C543: PIN_NUMBER "2" at 17387,11510 h20; PIN_NUMBER "1" at 17347,11510 h20; ASSEMBLY_TOP "USERPART#" at 17375,11360 h25; ASSEMBLY_TOP "TOLERANCE" at 17375,11410 h25; ASSEMBLY_TOP "0.1uF" at 17375,11510 h25; SYMBOL_PART_DIM "0" at 17283,11497 h25; SYMBOL_PART_DIM "0" at 17367,11426 h25; SYMBOL_PART_DIM "C402-35X32" at 17252,11372 h25; SYMBOL_PART_DIM "PAD 35X32 OV" at 17252,11322 h25
C544: PIN_NUMBER "2" at 17537,11940 h20 r180; PIN_NUMBER "1" at 17497,11940 h20 r180; ASSEMBLY_BOTTOM "USERPART#" at 17525,12090 h25 r180; ASSEMBLY_BOTTOM "TOLERANCE" at 17525,12040 h25 r180; ASSEMBLY_BOTTOM "0.1uF" at 17525,11940 h25 r180; SYMBOL_PART_DIM "0" at 17433,11953 h25 r180; SYMBOL_PART_DIM "0" at 17517,12024 h25 r180; SYMBOL_PART_DIM "C402-35X32" at 17402,12078 h25 r180; SYMBOL_PART_DIM "PAD 35X32 OV" at 17402,12128 h25 r180
C545: PIN_NUMBER "2" at 16592,11600 h20 r180; PIN_NUMBER "1" at 16632,11600 h20 r180; ASSEMBLY_TOP "USERPART#" at 16620,11750 h25 r180; ASSEMBLY_TOP "TOLERANCE" at 16620,11700 h25 r180; ASSEMBLY_TOP "0.1uF" at 16620,11600 h25 r180; SYMBOL_PART_DIM "0" at 16712,11613 h25 r180; SYMBOL_PART_DIM "0" at 16628,11684 h25 r180; SYMBOL_PART_DIM "C402-35X32" at 16743,11738 h25 r180; SYMBOL_PART_DIM "PAD 35X32 OV" at 16743,11788 h25 r180
C546: PIN_NUMBER "2" at 16767,11410 h20 r270; PIN_NUMBER "1" at 16767,11450 h20 r270; ASSEMBLY_TOP "USERPART#" at 16625,11430 h25 r270; ASSEMBLY_TOP "TOLERANCE" at 16675,11430 h25 r270; ASSEMBLY_TOP "0.1uF" at 16775,11430 h25 r270; SYMBOL_PART_DIM "0" at 16762,11522 h25 r270; SYMBOL_PART_DIM "0" at 16691,11438 h25 r270; SYMBOL_PART_DIM "C402-35X32" at 16637,11553 h25 r270; SYMBOL_PART_DIM "PAD 35X32 OV" at 16587,11553 h25 r270
C547: PIN_NUMBER "2" at 17142,11410 h20 r270; PIN_NUMBER "1" at 17142,11450 h20 r270; ASSEMBLY_TOP "USERPART#" at 17000,11430 h25 r270; ASSEMBLY_TOP "TOLERANCE" at 17050,11430 h25 r270; ASSEMBLY_TOP "0.1uF" at 17150,11430 h25 r270; SYMBOL_PART_DIM "0" at 17137,11522 h25 r270; SYMBOL_PART_DIM "0" at 17066,11438 h25 r270; SYMBOL_PART_DIM "C402-35X32" at 17012,11553 h25 r270; SYMBOL_PART_DIM "PAD 35X32 OV" at 16962,11553 h25 r270
C548: PIN_NUMBER "2" at 16592,11855 h20 r180; PIN_NUMBER "1" at 16632,11855 h20 r180; ASSEMBLY_TOP "USERPART#" at 16620,12005 h25 r180; ASSEMBLY_TOP "TOLERANCE" at 16620,11955 h25 r180; ASSEMBLY_TOP "0.1uF" at 16620,11855 h25 r180; SYMBOL_PART_DIM "0" at 16712,11868 h25 r180; SYMBOL_PART_DIM "0" at 16628,11939 h25 r180; SYMBOL_PART_DIM "C402-35X32" at 16743,11993 h25 r180; SYMBOL_PART_DIM "PAD 35X32 OV" at 16743,12043 h25 r180
C549: PIN_NUMBER "2" at 16967,12110 h20 r90; PIN_NUMBER "1" at 16967,12070 h20 r90; ASSEMBLY_TOP "USERPART#" at 17125,12090 h25 r90; ASSEMBLY_TOP "TOLERANCE" at 17075,12090 h25 r90; ASSEMBLY_TOP "0.1uF" at 16975,12090 h25 r90; SYMBOL_PART_DIM "0" at 16988,11998 h25 r90; SYMBOL_PART_DIM "0" at 17059,12082 h25 r90; SYMBOL_PART_DIM "C402-35X32" at 17113,11967 h25 r90; SYMBOL_PART_DIM "PAD 35X32 OV" at 17163,11967 h25 r90
C550: PIN_NUMBER "2" at 16592,11700 h20 r180; PIN_NUMBER "1" at 16632,11700 h20 r180; ASSEMBLY_TOP "USERPART#" at 16620,11850 h25 r180; ASSEMBLY_TOP "TOLERANCE" at 16620,11800 h25 r180; ASSEMBLY_TOP "0.1uF" at 16620,11700 h25 r180; SYMBOL_PART_DIM "0" at 16712,11713 h25 r180; SYMBOL_PART_DIM "0" at 16628,11784 h25 r180; SYMBOL_PART_DIM "C402-35X32" at 16743,11838 h25 r180; SYMBOL_PART_DIM "PAD 35X32 OV" at 16743,11888 h25 r180
C551: PIN_NUMBER "2" at 16592,11650 h20 r180; PIN_NUMBER "1" at 16632,11650 h20 r180; ASSEMBLY_TOP "USERPART#" at 16620,11800 h25 r180; ASSEMBLY_TOP "TOLERANCE" at 16620,11750 h25 r180; ASSEMBLY_TOP "0.1uF" at 16620,11650 h25 r180; SYMBOL_PART_DIM "0" at 16712,11663 h25 r180; SYMBOL_PART_DIM "0" at 16628,11734 h25 r180; SYMBOL_PART_DIM "C402-35X32" at 16743,11788 h25 r180; SYMBOL_PART_DIM "PAD 35X32 OV" at 16743,11838 h25 r180
C552: PIN_NUMBER "2" at 17315,11407 h20; PIN_NUMBER "1" at 17275,11407 h20; ASSEMBLY_TOP "USERPART#" at 17303,11257 h25; ASSEMBLY_TOP "TOLERANCE" at 17303,11307 h25; ASSEMBLY_TOP "0.1uF" at 17303,11407 h25; SYMBOL_PART_DIM "0" at 17211,11394 h25; SYMBOL_PART_DIM "0" at 17295,11323 h25; SYMBOL_PART_DIM "C402-35X32" at 17180,11269 h25; SYMBOL_PART_DIM "PAD 35X32 OV" at 17180,11219 h25
C553: PIN_NUMBER "2" at 16767,12110 h20 r90; PIN_NUMBER "1" at 16767,12070 h20 r90; ASSEMBLY_TOP "USERPART#" at 16925,12090 h25 r90; ASSEMBLY_TOP "TOLERANCE" at 16875,12090 h25 r90; ASSEMBLY_TOP "0.1uF" at 16775,12090 h25 r90; SYMBOL_PART_DIM "0" at 16788,11998 h25 r90; SYMBOL_PART_DIM "0" at 16859,12082 h25 r90; SYMBOL_PART_DIM "C402-35X32" at 16913,11967 h25 r90; SYMBOL_PART_DIM "PAD 35X32 OV" at 16963,11967 h25 r90
C554: PIN_NUMBER "2" at 16917,12110 h20 r90; PIN_NUMBER "1" at 16917,12070 h20 r90; ASSEMBLY_TOP "USERPART#" at 17075,12090 h25 r90; ASSEMBLY_TOP "TOLERANCE" at 17025,12090 h25 r90; ASSEMBLY_TOP "0.1uF" at 16925,12090 h25 r90; SYMBOL_PART_DIM "0" at 16938,11998 h25 r90; SYMBOL_PART_DIM "0" at 17009,12082 h25 r90; SYMBOL_PART_DIM "C402-35X32" at 17063,11967 h25 r90; SYMBOL_PART_DIM "PAD 35X32 OV" at 17113,11967 h25 r90
C555: PIN_NUMBER "2" at 17837,12305 h20; PIN_NUMBER "1" at 17797,12305 h20; ASSEMBLY_TOP "USERPART#" at 17825,12155 h25; ASSEMBLY_TOP "TOLERANCE" at 17825,12205 h25; ASSEMBLY_TOP "0.1uF" at 17825,12305 h25; SYMBOL_PART_DIM "0" at 17733,12292 h25; SYMBOL_PART_DIM "0" at 17817,12221 h25; SYMBOL_PART_DIM "C402-35X32" at 17702,12167 h25; SYMBOL_PART_DIM "PAD 35X32 OV" at 17702,12117 h25
C556: PIN_NUMBER "2" at 17362,12160 h20 r180; PIN_NUMBER "1" at 17322,12160 h20 r180; ASSEMBLY_BOTTOM "USERPART#" at 17350,12310 h25 r180; ASSEMBLY_BOTTOM "TOLERANCE" at 17350,12260 h25 r180; ASSEMBLY_BOTTOM "0.1uF" at 17350,12160 h25 r180; SYMBOL_PART_DIM "0" at 17258,12173 h25 r180; SYMBOL_PART_DIM "0" at 17342,12244 h25 r180; SYMBOL_PART_DIM "C402-35X32" at 17227,12298 h25 r180; SYMBOL_PART_DIM "PAD 35X32 OV" at 17227,12348 h25 r180
C557: PIN_NUMBER "2" at 17837,12460 h20; PIN_NUMBER "1" at 17797,12460 h20; ASSEMBLY_TOP "USERPART#" at 17825,12310 h25; ASSEMBLY_TOP "TOLERANCE" at 17825,12360 h25; ASSEMBLY_TOP "0.1uF" at 17825,12460 h25; SYMBOL_PART_DIM "0" at 17733,12447 h25; SYMBOL_PART_DIM "0" at 17817,12376 h25; SYMBOL_PART_DIM "C402-35X32" at 17702,12322 h25; SYMBOL_PART_DIM "PAD 35X32 OV" at 17702,12272 h25
C590: PIN_NUMBER "1" at 16259,11525 h40 r90; PIN_NUMBER "2" at 16259,11645 h40 r90; Top Overlay "+" at 16235,11540 h35 r90; ASSEMBLY_TOP "+" at 16290,11470 h40 r90; ASSEMBLY_TOP "X" at 16290,11625 h40 r90; ASSEMBLY_TOP "X" at 16290,11585 h40 r90; ASSEMBLY_TOP "10uF" at 16290,11550 h40 r90; SYMB_DIM "0" at 16300,11410 h40 r90; SYMB_DIM "0" at 16425,11560 h40 r90; SYMB_DIM "C1206-40X70" at 15894,11685 h40 r90; SYMB_DIM "SP  40X70OV" at 16474,11695 h40 r90; SYMB_DIM "SM  48X78" at 16431,11645 h40 r90; SYMB_DIM "PAD 40X70OV" at 16324,11695 h40 r90
C591: PIN_NUMBER "2" at 16367,11655 h20 r90; PIN_NUMBER "1" at 16367,11615 h20 r90; ASSEMBLY_TOP "USERPART#" at 16525,11635 h25 r90; ASSEMBLY_TOP "TOLERANCE" at 16475,11635 h25 r90; ASSEMBLY_TOP "0.1uF" at 16375,11635 h25 r90; SYMBOL_PART_DIM "0" at 16388,11543 h25 r90; SYMBOL_PART_DIM "0" at 16459,11627 h25 r90; SYMBOL_PART_DIM "C402-35X32" at 16513,11512 h25 r90; SYMBOL_PART_DIM "PAD 35X32 OV" at 16563,11512 h25 r90
C592: PIN_NUMBER "2" at 17417,11800 h20 r180; PIN_NUMBER "1" at 17377,11800 h20 r180; ASSEMBLY_BOTTOM "USERPART#" at 17405,11950 h25 r180; ASSEMBLY_BOTTOM "TOLERANCE" at 17405,11900 h25 r180; ASSEMBLY_BOTTOM "0.1uF" at 17405,11800 h25 r180; SYMBOL_PART_DIM "0" at 17313,11813 h25 r180; SYMBOL_PART_DIM "0" at 17397,11884 h25 r180; SYMBOL_PART_DIM "C402-35X32" at 17282,11938 h25 r180; SYMBOL_PART_DIM "PAD 35X32 OV" at 17282,11988 h25 r180
C593: PIN_NUMBER "2" at 16472,11760 h20; PIN_NUMBER "1" at 16512,11760 h20; ASSEMBLY_BOTTOM "USERPART#" at 16500,11610 h25; ASSEMBLY_BOTTOM "TOLERANCE" at 16500,11660 h25; ASSEMBLY_BOTTOM "0.1uF" at 16500,11760 h25; SYMBOL_PART_DIM "0" at 16592,11747 h25; SYMBOL_PART_DIM "0" at 16508,11676 h25; SYMBOL_PART_DIM "C402-35X32" at 16623,11622 h25; SYMBOL_PART_DIM "PAD 35X32 OV" at 16623,11572 h25
C594: PIN_NUMBER "2" at 17067,11290 h20 r90; PIN_NUMBER "1" at 17067,11330 h20 r90; ASSEMBLY_BOTTOM "USERPART#" at 17225,11310 h25 r90; ASSEMBLY_BOTTOM "TOLERANCE" at 17175,11310 h25 r90; ASSEMBLY_BOTTOM "0.1uF" at 17075,11310 h25 r90; SYMBOL_PART_DIM "0" at 17088,11402 h25 r90; SYMBOL_PART_DIM "0" at 17159,11318 h25 r90; SYMBOL_PART_DIM "C402-35X32" at 17213,11433 h25 r90; SYMBOL_PART_DIM "PAD 35X32 OV" at 17263,11433 h25 r90
C595: PIN_NUMBER "2" at 16457,12110 h20; PIN_NUMBER "1" at 16417,12110 h20; ASSEMBLY_TOP "USERPART#" at 16445,11960 h25; ASSEMBLY_TOP "TOLERANCE" at 16445,12010 h25; ASSEMBLY_TOP "0.1uF" at 16445,12110 h25; SYMBOL_PART_DIM "0" at 16353,12097 h25; SYMBOL_PART_DIM "0" at 16437,12026 h25; SYMBOL_PART_DIM "C402-35X32" at 16322,11972 h25; SYMBOL_PART_DIM "PAD 35X32 OV" at 16322,11922 h25